# KiCad board panel.kicad_pcb (continued)
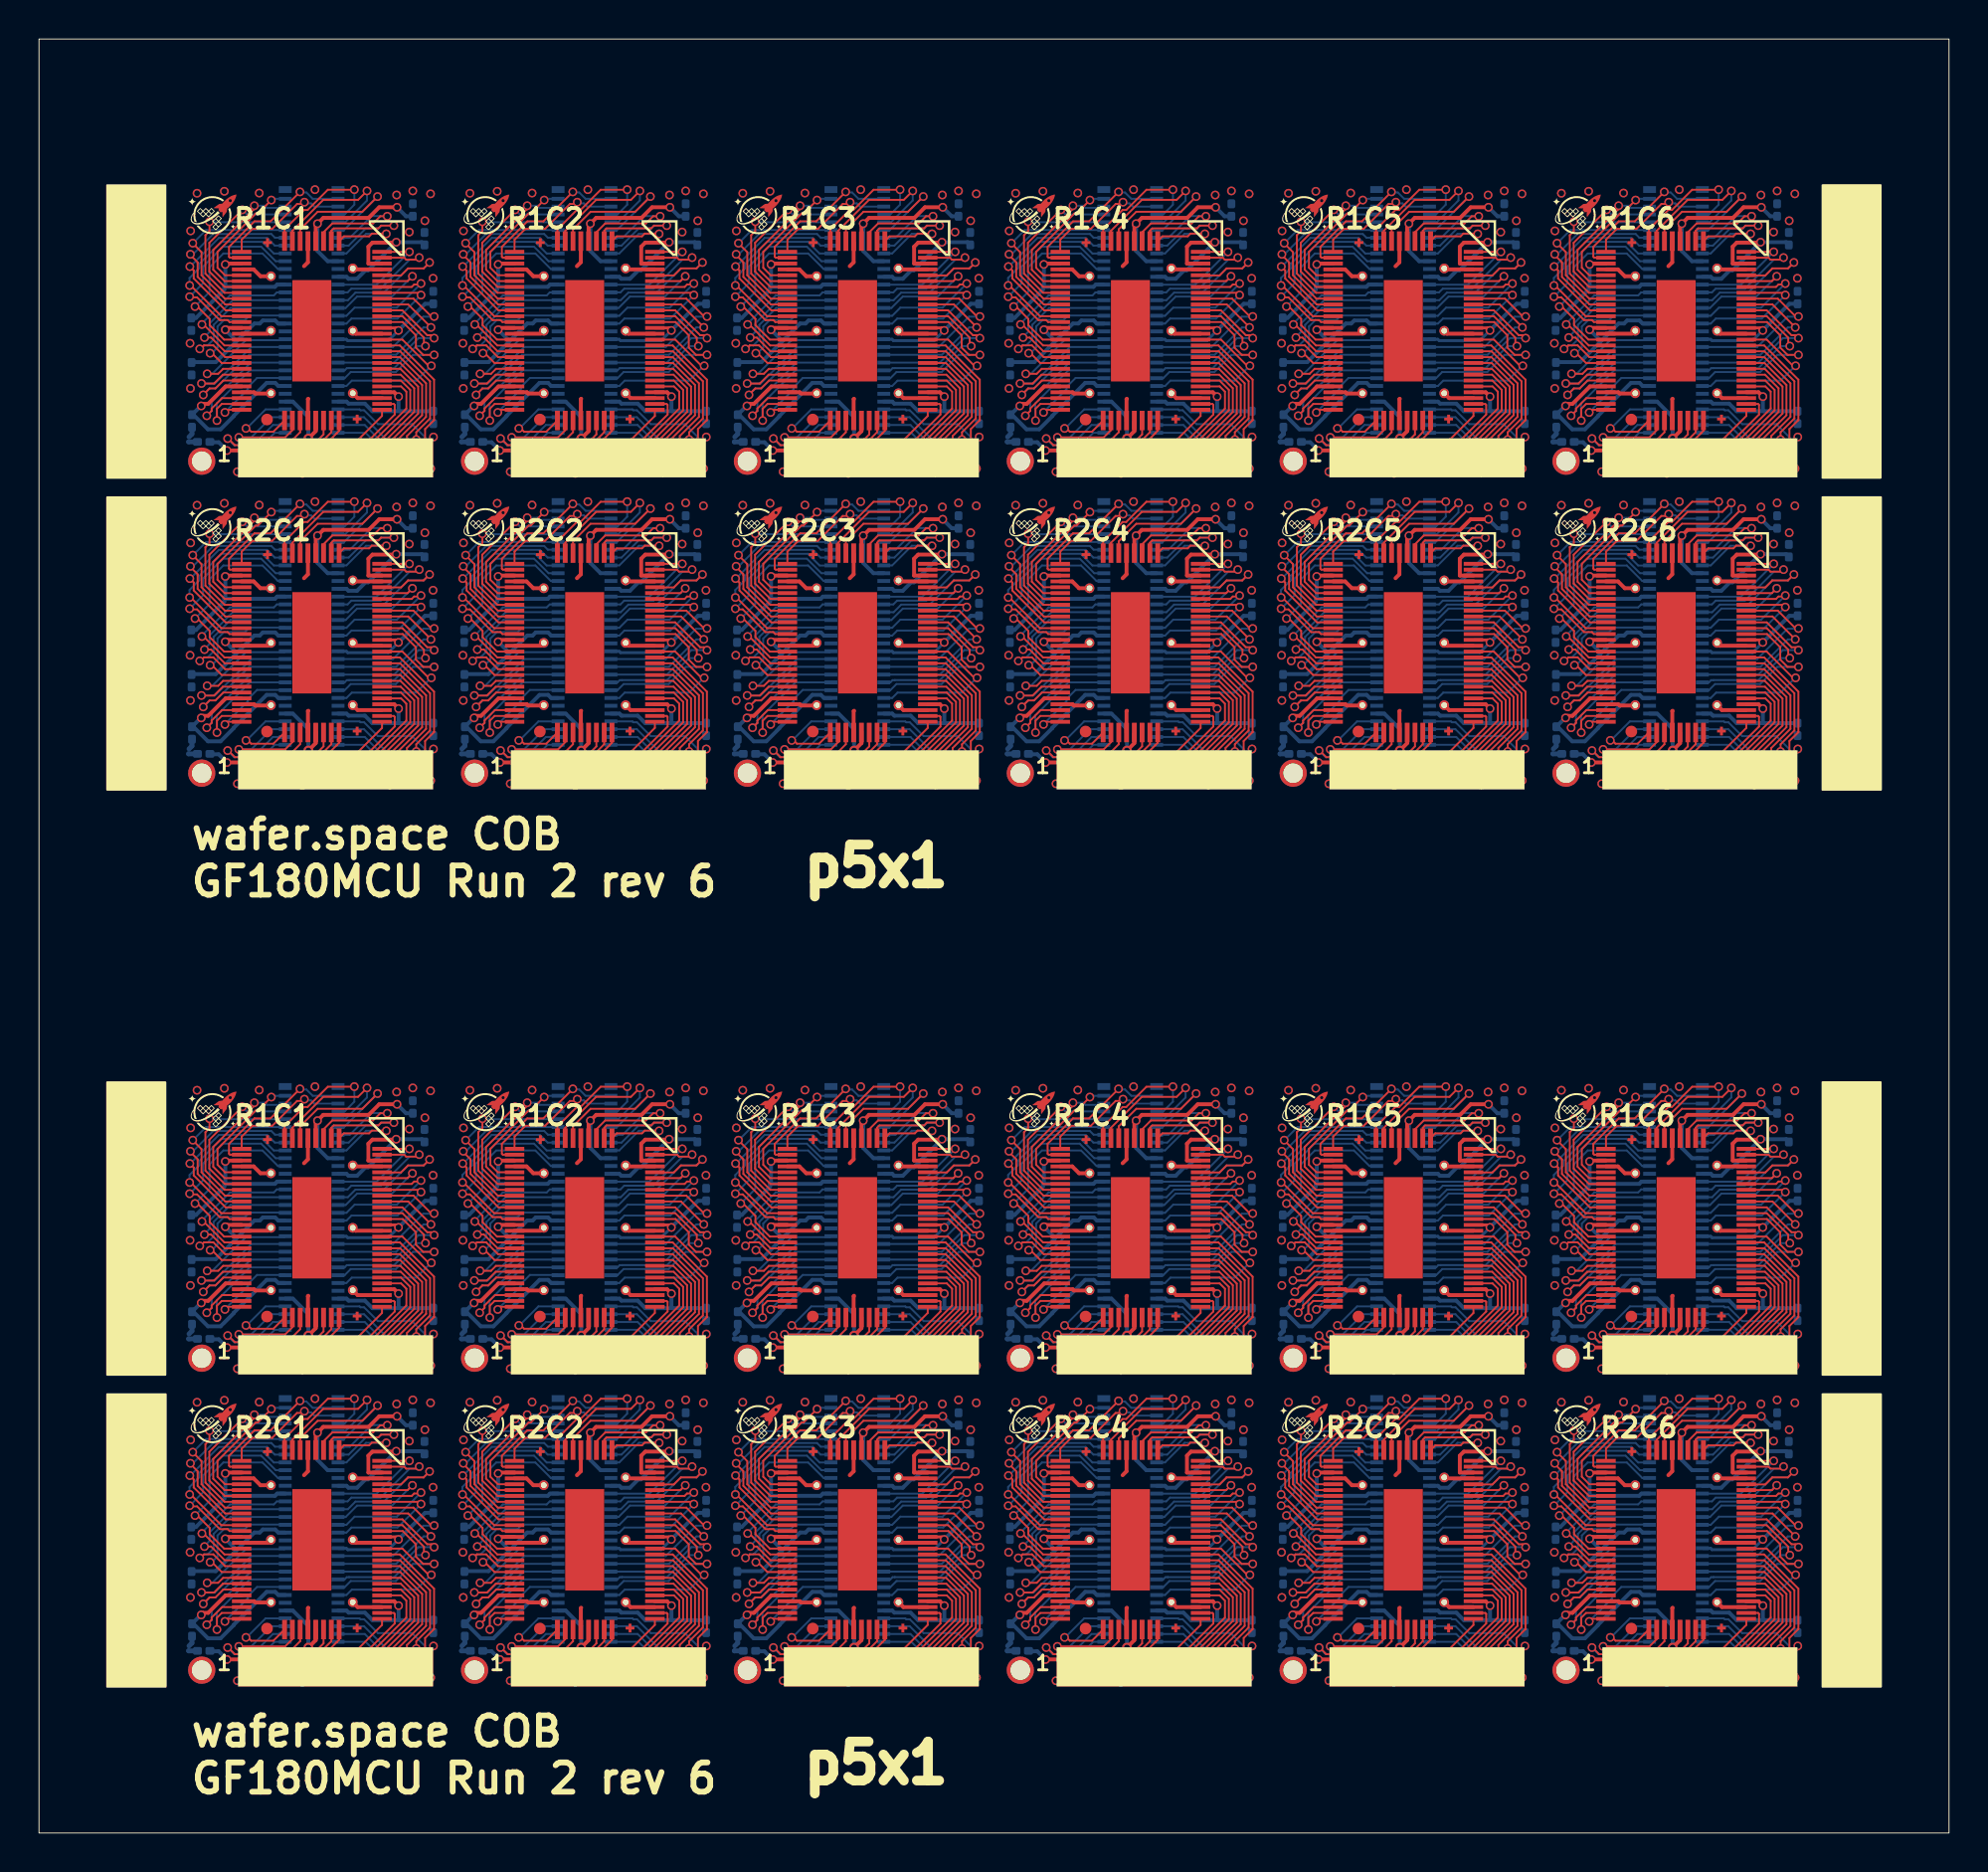
[diagram p0: board, top side]
## Routing (per net, layer and track width the routed paths; a pad name or vN(x,y) marks a point on that pad's centre or on a via; arc(x,y) is an arc through that point) (continued)
  Bottom w0.2: v1(18.33,35.58) 16.89,34.14 16.75,34.14 16.32,33.7 15.88,33.71 15.78,33.81 U101.46 ; v1(18.33,35.58) 18.36,35.61 ; v1(18.33,35.58) 19.64,35.58 C103#2.1 ; 88.36,19.61 v1(88.33,19.58) ; v1(88.33,19.58) 86.89,18.14 86.75,18.14 86.32,17.7 85.88,17.71 85.78,17.81 U123.46 ; v1(88.33,19.58) 89.64,19.58 C191#2.1 ; 18.36,65.61 v1(18.33,65.58) ; v1(18.33,65.58) 19.64,65.58 C151.1 ; v1(18.33,65.58) 16.89,64.14 16.75,64.14 16.32,63.7 15.88,63.71 15.78,63.81 U113#2.46 ; v1(18.33,81.58) 16.89,80.14 16.75,80.14 16.32,79.7 15.88,79.71 15.78,79.81 U101#2.46 ; v1(18.33,81.58) 18.36,81.61 ; v1(18.33,81.58) 19.64,81.58 C103.1 ; v1(32.33,35.58) 30.89,34.14 30.75,34.14 30.32,33.7 29.88,33.71 29.78,33.81 U103.46 ; v1(32.33,35.58) 33.64,35.58 C111.1 ; v1(32.33,35.58) 32.36,35.61 ; C159.1 33.64,19.58 v1(32.33,19.58) ; 46.36,35.61 v1(46.33,35.58) ; v1(46.33,35.58) 47.64,35.58 C119.1 ; v1(46.33,35.58) 44.89,34.14 44.75,34.14 44.32,33.7 43.88,33.71 43.78,33.81 U105#2.46 ; v1(60.33,81.58) 61.64,81.58 C127#2.1 ; v1(60.33,81.58) 58.89,80.14 58.75,80.14 58.32,79.7 57.88,79.71 57.78,79.81 U107#2.46 ; v1(60.33,81.58) 60.36,81.61 ; U115#2.46 29.78,63.81 29.88,63.71 30.32,63.7 30.75,64.14 30.89,64.14 v1(32.33,65.58) ; v1(74.33,35.58) 75.64,35.58 C135#2.1 ; v1(74.33,35.58) 72.89,34.14 72.75,34.14 72.32,33.7 71.88,33.71 71.78,33.81 71.35,33.8 ; v1(74.33,35.58) 74.36,35.61 ; 60.36,65.61 v1(60.33,65.58) ; v1(60.33,65.58) 58.89,64.14 58.75,64.14 58.32,63.7 57.88,63.71 57.78,63.81 U119.46 ; v1(60.33,65.58) 61.64,65.58 C175#2.1 ; 71.35,79.8 71.78,79.81 71.88,79.71 72.32,79.7 72.75,80.14 72.89,80.14 v1(74.33,81.58) ; U111#2.46 85.78,79.81 85.88,79.71 86.32,79.7 86.75,80.14 86.89,80.14 v1(88.33,81.58) ; U103#2.46 29.78,79.81 29.88,79.71 30.32,79.7 30.75,80.14 30.89,80.14 v1(32.33,81.58) ; C143#2.1 89.64,35.58 v1(88.33,35.58) ; C191.1 89.64,65.58 v1(88.33,65.58) ; C183#2.1 75.64,19.58 v1(74.33,19.58) ; C151#2.1 19.64,19.58 v1(18.33,19.58) ; 46.36,81.61 v1(46.33,81.58) ; v1(46.33,81.58) 47.64,81.58 C119#2.1 ; v1(46.33,81.58) 44.89,80.14 44.75,80.14 44.32,79.7 43.88,79.71 43.78,79.81 U105.46 ; 74.36,81.61 v1(74.33,81.58) ; v1(74.33,81.58) 75.64,81.58 C135.1 ; 46.36,19.61 v1(46.33,19.58) ; v1(46.33,19.58) 44.89,18.14 44.75,18.14 44.32,17.7 43.88,17.71 43.78,17.81 U117.46 ; v1(46.33,19.58) 47.64,19.58 C167#2.1 ; U113.46 15.78,17.81 15.88,17.71 16.32,17.7 16.75,18.14 16.89,18.14 v1(18.33,19.58) ; v1(74.33,19.58) 74.36,19.61 ; v1(74.33,19.58) 72.89,18.14 72.75,18.14 72.32,17.7 71.88,17.71 71.78,17.81 71.35,17.8 ; v1(88.33,81.58) 88.36,81.61 ; v1(88.33,81.58) 89.64,81.58 C143.1 ; v1(60.33,19.58) 58.89,18.14 58.75,18.14 58.32,17.7 57.88,17.71 57.78,17.81 U119#2.46 ; v1(60.33,19.58) 61.64,19.58 C175.1 ; v1(60.33,19.58) 60.36,19.61 ; v1(18.33,19.58) 18.36,19.61 ; 46.36,65.61 v1(46.33,65.58) ; v1(46.33,65.58) 47.64,65.58 C167.1 ; v1(46.33,65.58) 44.89,64.14 44.75,64.14 44.32,63.7 43.88,63.71 43.78,63.81 U117#2.46 ; v1(32.33,81.58) 33.64,81.58 C111#2.1 ; v1(32.33,81.58) 32.36,81.61 ; v1(32.33,19.58) 32.36,19.61 ; v1(32.33,19.58) 30.89,18.14 30.75,18.14 30.32,17.7 29.88,17.71 29.78,17.81 U115.46 ; v1(88.33,65.58) 86.89,64.14 86.75,64.14 86.32,63.7 85.88,63.71 85.78,63.81 U123#2.46 ; v1(88.33,65.58) 88.36,65.61 ; v1(60.33,35.58) 58.89,34.14 58.75,34.14 58.32,33.7 57.88,33.71 57.78,33.81 U107.46 ; v1(60.33,35.58) 60.36,35.61 ; v1(60.33,35.58) 61.64,35.58 C127.1 ; U111.46 85.78,33.81 85.88,33.71 86.32,33.7 86.75,34.14 86.89,34.14 v1(88.33,35.58) ; 74.36,65.61 v1(74.33,65.58) ; v1(74.33,65.58) 75.64,65.58 C183.1 ; v1(74.33,65.58) 72.89,64.14 72.75,64.14 72.32,63.7 71.88,63.71 71.78,63.81 71.35,63.8 ; v1(32.33,65.58) 33.64,65.58 C159#2.1 ; v1(32.33,65.58) 32.36,65.61 ; v1(88.33,35.58) 88.36,35.61
VDD_CORE_1: length 223.4
  Top w0.2: v1(50.33,11.18) 50.43,11.29 50.68,11.29 51.58,12.19 52.4,12.19 ; 52.4,58.19 51.58,58.19 50.68,57.29 50.43,57.29 v1(50.33,57.18) ; v1(50.33,73.18) 50.43,73.29 50.68,73.29 51.58,74.19 U108#2.68 ; v1(8.33,73.18) 8.43,73.29 8.68,73.29 9.58,74.19 U102.68 ; v1(78.33,27.18) 78.43,27.29 78.68,27.29 79.58,28.19 80.4,28.19 ; v1(78.33,57.18) 78.43,57.29 78.68,57.29 79.58,58.19 80.4,58.19 ; v1(22.33,11.18) 22.43,11.29 22.68,11.29 23.58,12.19 24.4,12.19 ; 24.4,58.19 23.58,58.19 22.68,57.29 22.43,57.29 v1(22.33,57.18) ; v1(64.33,27.18) 64.43,27.29 64.68,27.29 65.58,28.19 66.4,28.19 ; U106#2.68 37.58,74.19 36.68,73.29 36.43,73.29 v1(36.33,73.18) ; 10.4,28.19 9.58,28.19 8.68,27.29 8.43,27.29 v1(8.33,27.18) ; v1(50.33,27.18) 50.43,27.29 50.68,27.29 51.58,28.19 52.4,28.19 ; 66.4,12.19 65.58,12.19 64.68,11.29 64.43,11.29 v1(64.33,11.18) ; 38.4,58.19 37.58,58.19 36.68,57.29 36.43,57.29 v1(36.33,57.18) ; 38.4,28.19 37.58,28.19 36.68,27.29 36.43,27.29 v1(36.33,27.18) ; 80.4,12.19 79.58,12.19 78.68,11.29 78.43,11.29 v1(78.33,11.18) ; v1(22.33,73.18) 22.43,73.29 22.68,73.29 23.58,74.19 U104.68 ; 66.4,58.19 65.58,58.19 64.68,57.29 64.43,57.29 v1(64.33,57.18) ; 10.4,12.19 9.58,12.19 8.68,11.29 8.43,11.29 v1(8.33,11.18) ; 24.4,28.19 23.58,28.19 22.68,27.29 22.43,27.29 v1(22.33,27.18) ; v1(36.33,11.18) 36.43,11.29 36.68,11.29 37.58,12.19 38.4,12.19 ; v1(8.33,57.18) 8.43,57.29 8.68,57.29 9.58,58.19 10.4,58.19 ; v1(64.33,73.18) 64.43,73.29 64.68,73.29 65.58,74.19 U110.68 ; v1(78.33,73.18) 78.43,73.29 78.68,73.29 79.58,74.19 U112#2.68
  Bottom w0.2: 82.64,58.21 82.28,58.21 82.12,58.37 81.68,58.37 79.99,56.67 79.99,56.66 79.32,55.98 78.67,55.98 77.92,56.73 C192.1 78.3,57.18 v1(78.33,57.18) ; 26.64,74.21 26.28,74.21 26.12,74.37 25.68,74.37 23.99,72.67 23.99,72.66 23.32,71.98 22.67,71.98 21.92,72.73 C112.1 22.3,73.18 v1(22.33,73.18) ; U111#2.11 82.28,74.21 82.12,74.37 81.68,74.37 79.99,72.67 79.99,72.66 79.32,71.98 78.67,71.98 77.92,72.73 C144#2.1 78.3,73.18 v1(78.33,73.18) ; 26.64,28.21 26.28,28.21 26.12,28.37 25.68,28.37 23.99,26.67 23.99,26.66 23.32,25.98 22.67,25.98 21.92,26.73 C112#2.1 22.3,27.18 v1(22.33,27.18) ; v1(36.33,73.18) 36.3,73.18 C120.1 35.92,72.73 36.67,71.98 37.32,71.98 37.99,72.66 37.99,72.67 39.68,74.37 40.12,74.37 40.28,74.21 40.64,74.21 ; 54.64,12.21 54.28,12.21 54.12,12.37 53.68,12.37 51.99,10.67 51.99,10.66 51.32,9.98 50.67,9.98 49.92,10.73 C176#2.1 50.3,11.18 v1(50.33,11.18) ; 12.64,28.21 12.28,28.21 12.12,28.37 11.68,28.37 9.99,26.67 9.99,26.66 9.32,25.98 8.67,25.98 7.92,26.73 C104.1 8.3,27.18 v1(8.33,27.18) ; 54.64,74.21 54.28,74.21 54.12,74.37 53.68,74.37 51.99,72.67 51.99,72.66 51.32,71.98 50.67,71.98 49.92,72.73 C128#2.1 50.3,73.18 v1(50.33,73.18) ; v1(36.33,57.18) 36.3,57.18 C168#2.1 35.92,56.73 36.67,55.98 37.32,55.98 37.99,56.66 37.99,56.67 39.68,58.37 40.12,58.37 40.28,58.21 40.64,58.21 ; v1(64.33,27.18) 64.3,27.18 C136#2.1 63.92,26.73 64.67,25.98 65.32,25.98 65.99,26.66 65.99,26.67 67.68,28.37 68.12,28.37 68.28,28.21 68.64,28.21 ; v1(8.33,57.18) 8.3,57.18 C152#2.1 7.92,56.73 8.67,55.98 9.32,55.98 9.99,56.66 9.99,56.67 11.68,58.37 12.12,58.37 12.28,58.21 12.64,58.21 ; v1(36.33,27.18) 36.3,27.18 C120#2.1 35.92,26.73 36.67,25.98 37.32,25.98 37.99,26.66 37.99,26.67 39.68,28.37 40.12,28.37 40.28,28.21 40.64,28.21 ; v1(78.33,27.18) 78.3,27.18 C144.1 77.92,26.73 78.67,25.98 79.32,25.98 79.99,26.66 79.99,26.67 81.68,28.37 82.12,28.37 82.28,28.21 82.64,28.21 ; 82.64,12.21 82.28,12.21 82.12,12.37 81.68,12.37 79.99,10.67 79.99,10.66 79.32,9.98 78.67,9.98 77.92,10.73 C192#2.1 78.3,11.18 v1(78.33,11.18) ; 26.64,12.21 26.28,12.21 26.12,12.37 25.68,12.37 23.99,10.67 23.99,10.66 23.32,9.98 22.67,9.98 21.92,10.73 C160.1 22.3,11.18 v1(22.33,11.18) ; 12.64,12.21 12.28,12.21 12.12,12.37 11.68,12.37 9.99,10.67 9.99,10.66 9.32,9.98 8.67,9.98 7.92,10.73 C152.1 8.3,11.18 v1(8.33,11.18) ; v1(22.33,57.18) 22.3,57.18 C160#2.1 21.92,56.73 22.67,55.98 23.32,55.98 23.99,56.66 23.99,56.67 25.68,58.37 26.12,58.37 26.28,58.21 26.64,58.21 ; v1(50.33,57.18) 50.3,57.18 C176.1 49.92,56.73 50.67,55.98 51.32,55.98 51.99,56.66 51.99,56.67 53.68,58.37 54.12,58.37 54.28,58.21 54.64,58.21 ; 68.64,12.21 68.28,12.21 68.12,12.37 67.68,12.37 65.99,10.67 65.99,10.66 65.32,9.98 64.67,9.98 63.92,10.73 C184#2.1 64.3,11.18 v1(64.33,11.18) ; 54.64,28.21 54.28,28.21 54.12,28.37 53.68,28.37 51.99,26.67 51.99,26.66 51.32,25.98 50.67,25.98 49.92,26.73 C128.1 50.3,27.18 v1(50.33,27.18) ; 68.64,58.21 68.28,58.21 68.12,58.37 67.68,58.37 65.99,56.67 65.99,56.66 65.32,55.98 64.67,55.98 63.92,56.73 C184.1 64.3,57.18 v1(64.33,57.18) ; 68.64,74.21 68.28,74.21 68.12,74.37 67.68,74.37 65.99,72.67 65.99,72.66 65.32,71.98 64.67,71.98 63.92,72.73 C136.1 64.3,73.18 v1(64.33,73.18) ; v1(36.33,11.18) 36.3,11.18 C168.1 35.92,10.73 36.67,9.98 37.32,9.98 37.99,10.66 37.99,10.67 39.68,12.37 40.12,12.37 40.28,12.21 40.64,12.21 ; v1(8.33,73.18) 8.3,73.18 C104#2.1 7.92,72.73 8.67,71.98 9.32,71.98 9.99,72.66 9.99,72.67 11.68,74.37 12.12,74.37 12.28,74.21 12.64,74.21
VDD_IO_0: length 163.2
  Top w0.2: v1(74.45,57.66) 74.23,57.89 U122.12 ; U124#2.12 88.23,57.89 v1(88.45,57.66) ; U106.12 46.22,27.89 v1(46.45,27.66) ; U104#2.12 32.22,27.89 v1(32.45,27.66) ; U124.12 88.23,11.89 v1(88.45,11.66) ; U118#2.12 46.22,57.89 v1(46.45,57.66) ; v1(60.45,57.66) 60.22,57.89 U120#2.12 ; v1(88.45,73.66) 88.23,73.89 87.6,73.89 ; v1(60.45,11.66) 60.22,11.89 U120.12 ; v1(32.45,57.66) 32.22,57.89 U116.12 ; 45.6,73.89 46.22,73.89 v1(46.45,73.66) ; v1(74.45,73.66) 74.23,73.89 73.6,73.89 ; v1(60.45,27.66) 60.22,27.89 U108.12 ; v1(74.45,11.66) 74.23,11.89 U122#2.12 ; U114#2.12 18.22,11.89 v1(18.45,11.66) ; v1(74.45,27.66) 74.23,27.89 U110#2.12 ; 17.6,73.89 18.22,73.89 v1(18.45,73.66) ; v1(46.45,11.66) 46.22,11.89 U118.12 ; U114.12 18.22,57.89 v1(18.45,57.66) ; U116#2.12 32.22,11.89 v1(32.45,11.66) ; U102#2.12 18.22,27.89 v1(18.45,27.66) ; v1(32.45,73.66) 32.22,73.89 31.6,73.89 ; 59.6,73.89 60.22,73.89 v1(60.45,73.66) ; v1(88.45,27.66) 88.23,27.89 U112.12
  Bottom w0.2: 85.35,57.41 85.78,57.41 85.89,57.3 86.72,57.3 87.11,56.92 88.51,56.92 ; 60.51,10.92 60.45,10.98 v1(60.45,11.66) ; 60.51,10.92 59.11,10.92 58.72,11.3 57.89,11.3 57.78,11.41 57.34,11.41 ; 60.51,10.92 C179.1 ; 32.51,56.92 32.45,56.98 v1(32.45,57.66) ; 32.51,56.92 31.11,56.92 30.72,57.3 29.89,57.3 29.78,57.41 29.34,57.41 ; 32.51,56.92 C163.1 ; 74.51,72.92 74.45,72.98 v1(74.45,73.66) ; 74.51,72.92 73.11,72.92 72.72,73.3 71.89,73.3 71.78,73.41 71.35,73.41 ; 74.51,72.92 C139.1 ; v1(60.45,27.66) 60.45,26.98 60.51,26.92 ; 60.51,26.92 59.11,26.92 58.72,27.3 57.89,27.3 57.78,27.41 57.34,27.41 ; 60.51,26.92 C131#2.1 ; 29.34,11.41 29.78,11.41 29.89,11.3 30.72,11.3 31.11,10.92 32.51,10.92 ; 74.51,26.92 C139#2.1 ; 74.51,26.92 74.45,26.98 v1(74.45,27.66) ; 74.51,26.92 73.11,26.92 72.72,27.3 71.89,27.3 71.78,27.41 71.35,27.41 ; v1(32.45,27.66) 32.45,26.98 32.51,26.92 ; v1(32.45,11.66) 32.45,10.98 32.51,10.92 ; U107#2.62 57.78,73.41 57.89,73.3 58.72,73.3 59.11,72.92 60.51,72.92 ; 32.51,72.92 32.45,72.98 v1(32.45,73.66) ; 32.51,72.92 C115#2.1 ; 32.51,72.92 31.11,72.92 30.72,73.3 29.89,73.3 29.78,73.41 U103#2.62 ; 32.51,10.92 C163#2.1 ; 60.51,72.92 C131.1 ; 60.51,72.92 60.45,72.98 v1(60.45,73.66) ; 88.51,56.92 88.45,56.98 v1(88.45,57.66) ; 88.51,56.92 C195.1 ; 15.34,57.41 15.78,57.41 15.89,57.3 16.72,57.3 17.11,56.92 18.51,56.92 ; 88.51,10.92 88.45,10.98 v1(88.45,11.66) ; 88.51,10.92 87.11,10.92 86.72,11.3 85.89,11.3 85.78,11.41 85.35,11.41 ; 88.51,10.92 C195#2.1 ; 46.51,56.92 C171.1 ; 46.51,56.92 45.11,56.92 44.72,57.3 43.89,57.3 43.78,57.41 43.34,57.41 ; 46.51,56.92 46.45,56.98 v1(46.45,57.66) ; 88.51,72.92 87.11,72.92 86.72,73.3 85.89,73.3 85.78,73.41 U111#2.62 ; 88.51,72.92 C147#2.1 ; 88.51,72.92 88.45,72.98 v1(88.45,73.66) ; v1(18.45,73.66) 18.45,72.98 18.51,72.92 ; 74.51,10.92 74.45,10.98 v1(74.45,11.66) ; 74.51,10.92 C187#2.1 ; 74.51,10.92 73.11,10.92 72.72,11.3 71.89,11.3 71.78,11.41 71.35,11.41 ; v1(18.45,11.66) 18.45,10.98 18.51,10.92 ; 32.51,26.92 C115.1 ; 32.51,26.92 31.11,26.92 30.72,27.3 29.89,27.3 29.78,27.41 29.34,27.41 ; 88.51,26.92 C147.1 ; 88.51,26.92 87.11,26.92 86.72,27.3 85.89,27.3 85.78,27.41 85.35,27.41 ; 88.51,26.92 88.45,26.98 v1(88.45,27.66) ; 15.34,11.41 15.78,11.41 15.89,11.3 16.72,11.3 17.11,10.92 18.51,10.92 ; 46.51,10.92 C171#2.1 ; 46.51,10.92 45.11,10.92 44.72,11.3 43.89,11.3 43.78,11.41 43.34,11.41 ; 46.51,10.92 46.45,10.98 v1(46.45,11.66) ; 18.51,56.92 18.45,56.98 v1(18.45,57.66) ; 18.51,56.92 C155.1 ; v1(74.45,57.66) 74.45,56.98 74.51,56.92 ; 46.51,26.92 45.11,26.92 44.72,27.3 43.89,27.3 43.78,27.41 43.34,27.41 ; 46.51,26.92 C123.1 ; 46.51,26.92 46.45,26.98 v1(46.45,27.66) ; 15.34,27.41 15.78,27.41 15.89,27.3 16.72,27.3 17.11,26.92 18.51,26.92 ; 74.51,56.92 C187.1 ; 74.51,56.92 73.11,56.92 72.72,57.3 71.89,57.3 71.78,57.41 71.35,57.41 ; 18.51,26.92 18.45,26.98 v1(18.45,27.66) ; 18.51,26.92 C107.1 ; 57.34,57.41 57.78,57.41 57.89,57.3 58.72,57.3 59.11,56.92 60.51,56.92 ; 18.51,10.92 C155#2.1 ; 18.51,72.92 17.11,72.92 16.72,73.3 15.89,73.3 15.78,73.41 U101#2.62 ; 18.51,72.92 C107#2.1 ; 46.51,72.92 45.11,72.92 44.72,73.3 43.89,73.3 43.78,73.41 U105.62 ; 46.51,72.92 46.45,72.98 v1(46.45,73.66) ; 46.51,72.92 C123#2.1 ; 60.51,56.92 C179#2.1 ; 60.51,56.92 60.45,56.98 v1(60.45,57.66)
VDD_IO_1: length 216.8
  Top w0.2: v1(32.37,83.37) 31.46,83.37 30.91,82.83 28.59,82.83 v1(28.29,82.53) 28.2,82.44 U104.40 ; v1(46.37,21.37) 45.46,21.37 44.91,20.83 42.59,20.83 v1(42.29,20.53) 42.2,20.44 U118.40 ; v1(60.37,37.37) 59.46,37.37 58.91,36.83 56.59,36.83 v1(56.29,36.53) 56.2,36.44 U108.40 ; U104#2.40 28.2,36.44 v1(28.29,36.53) 28.59,36.83 30.91,36.83 31.46,37.37 v1(32.37,37.37) ; v1(74.37,67.37) 73.46,67.37 72.91,66.83 70.59,66.83 v1(70.29,66.53) 70.2,66.44 U122.40 ; v1(88.37,37.37) 87.46,37.37 86.91,36.83 84.59,36.83 v1(84.29,36.53) 84.2,36.44 U112.40 ; v1(88.37,67.37) 87.46,67.37 86.91,66.83 84.59,66.83 v1(84.29,66.53) 84.2,66.44 U124#2.40 ; v1(46.37,37.37) 45.46,37.37 44.91,36.83 42.59,36.83 v1(42.29,36.53) 42.2,36.44 U106.40 ; v1(74.37,21.37) 73.46,21.37 72.91,20.83 70.59,20.83 v1(70.29,20.53) 70.2,20.44 U122#2.40 ; v1(88.37,83.37) 87.46,83.37 86.91,82.83 84.59,82.83 v1(84.29,82.53) 84.2,82.44 U112#2.40 ; U118#2.40 42.2,66.44 v1(42.29,66.53) 42.59,66.83 44.91,66.83 45.46,67.37 v1(46.37,67.37) ; v1(18.37,37.37) 17.46,37.37 16.91,36.83 14.59,36.83 v1(14.29,36.53) 14.2,36.44 U102#2.40 ; v1(32.37,67.37) 31.46,67.37 30.91,66.83 28.59,66.83 v1(28.29,66.53) 28.2,66.44 U116.40 ; U114#2.40 14.2,20.44 v1(14.29,20.53) 14.59,20.83 16.91,20.83 17.46,21.37 v1(18.37,21.37) ; v1(88.37,21.37) 87.46,21.37 86.91,20.83 84.59,20.83 v1(84.29,20.53) 84.2,20.44 U124.40 ; v1(60.37,67.37) 59.46,67.37 58.91,66.83 56.59,66.83 v1(56.29,66.53) 56.2,66.44 U120#2.40 ; U102.40 14.2,82.44 v1(14.29,82.53) 14.59,82.83 16.91,82.83 17.46,83.37 v1(18.37,83.37) ; v1(18.37,67.37) 17.46,67.37 16.91,66.83 14.59,66.83 v1(14.29,66.53) 14.2,66.44 U114.40 ; U116#2.40 28.2,20.44 v1(28.29,20.53) 28.59,20.83 30.91,20.83 31.46,21.37 v1(32.37,21.37) ; v1(46.37,83.37) 45.46,83.37 44.91,82.83 42.59,82.83 v1(42.29,82.53) 42.2,82.44 U106#2.40 ; U108#2.40 56.2,82.44 v1(56.29,82.53) 56.59,82.83 58.91,82.83 59.46,83.37 v1(60.37,83.37) ; U120.40 56.2,20.44 v1(56.29,20.53) 56.59,20.83 58.91,20.83 59.46,21.37 v1(60.37,21.37) ; U110.40 70.2,82.44 v1(70.29,82.53) 70.59,82.83 72.91,82.83 73.46,83.37 v1(74.37,83.37) ; U110#2.40 70.2,36.44 v1(70.29,36.53) 70.59,36.83 72.91,36.83 73.46,37.37 v1(74.37,37.37)
  Bottom w0.2: C189#2.1 88.83,66.91 v1(88.37,67.37) ; 71.35,80.61 70.81,80.61 70.29,81.13 v1(70.29,82.53) ; v1(14.29,36.53) 14.29,35.13 14.81,34.61 U101.44 ; v1(18.37,83.37) 18.83,82.91 C101#2.1 ; v1(32.37,83.37) 32.83,82.91 C109#2.1 ; v1(60.37,67.37) 60.83,66.91 C173.1 ; C125#2.1 60.83,82.91 v1(60.37,83.37) ; U115.44 28.81,18.61 28.29,19.13 v1(28.29,20.53) ; C109.1 32.83,36.91 v1(32.37,37.37) ; U115#2.44 28.81,64.61 28.29,65.13 v1(28.29,66.53) ; v1(56.29,36.53) 56.29,35.13 56.81,34.61 U107.44 ; v1(14.29,66.53) 14.29,65.13 14.81,64.61 U113#2.44 ; C125.1 60.83,36.91 v1(60.37,37.37) ; C173#2.1 60.83,20.91 v1(60.37,21.37) ; U111.44 84.82,34.61 84.29,35.13 v1(84.29,36.53) ; v1(70.29,20.53) 70.29,19.13 70.81,18.61 71.35,18.61 ; v1(88.37,83.37) 88.83,82.91 C141#2.1 ; v1(14.29,20.53) 14.29,19.13 14.81,18.61 U113.44 ; U105#2.44 42.81,34.61 42.29,35.13 v1(42.29,36.53) ; v1(84.29,20.53) 84.29,19.13 84.82,18.61 U123.44 ; C165.1 46.83,66.91 v1(46.37,67.37) ; C141.1 88.83,36.91 v1(88.37,37.37) ; U123#2.44 84.82,64.61 84.29,65.13 v1(84.29,66.53) ; U117.44 42.81,18.61 42.29,19.13 v1(42.29,20.53) ; C133.1 74.83,82.91 v1(74.37,83.37) ; v1(28.29,36.53) 28.29,35.13 28.81,34.61 U103.44 ; v1(42.29,66.53) 42.29,65.13 42.81,64.61 U117#2.44 ; v1(70.29,36.53) 70.29,35.13 70.81,34.61 71.35,34.61 ; U119#2.44 56.81,18.61 56.29,19.13 v1(56.29,20.53) ; U111#2.44 84.82,80.61 84.29,81.13 v1(84.29,82.53) ; v1(70.29,66.53) 70.29,65.13 70.81,64.61 71.35,64.61 ; U103#2.44 28.81,80.61 28.29,81.13 v1(28.29,82.53) ; v1(74.37,67.37) 74.83,66.91 C181#2.1 ; C101.1 18.83,36.91 v1(18.37,37.37) ; v1(74.37,37.37) 74.83,36.91 C133#2.1 ; v1(46.37,21.37) 46.83,20.91 C165#2.1 ; v1(42.29,82.53) 42.29,81.13 42.81,80.61 U105.44 ; C157#2.1 32.83,20.91 v1(32.37,21.37) ; C149#2.1 18.83,66.91 v1(18.37,67.37) ; v1(88.37,21.37) 88.83,20.91 C189.1 ; v1(56.29,66.53) 56.29,65.13 56.81,64.61 U119.44 ; v1(46.37,83.37) 46.83,82.91 C117#2.1 ; v1(56.29,82.53) 56.29,81.13 56.81,80.61 U107#2.44 ; v1(18.37,21.37) 18.83,20.91 C149.1 ; C117.1 46.83,36.91 v1(46.37,37.37) ; C157.1 32.83,66.91 v1(32.37,67.37) ; U101#2.44 14.81,80.61 14.29,81.13 v1(14.29,82.53) ; v1(74.37,21.37) 74.83,20.91 C181.1
VDD_IO_2: length 183.4
  Top w0.2: v1(23.56,18.44) 23.61,18.49 U116#2.47 ; v1(37.56,80.44) 37.61,80.49 38.4,80.49 ; U120.47 51.61,18.49 v1(51.56,18.44) ; 80.4,80.49 79.61,80.49 v1(79.56,80.44) ; U122#2.47 65.61,18.49 v1(65.56,18.44) ; v1(65.56,80.44) 65.61,80.49 66.4,80.49 ; U102#2.47 9.61,34.49 v1(9.56,34.44) ; v1(23.56,64.44) 23.61,64.49 U116.47 ; U118.47 37.61,18.49 v1(37.56,18.44) ; v1(51.56,64.44) 51.61,64.49 U120#2.47 ; v1(51.56,80.44) 51.61,80.49 52.4,80.49 ; U124.47 79.61,18.49 v1(79.56,18.44) ; v1(79.56,34.44) 79.61,34.49 U112.47 ; v1(9.56,80.44) 9.61,80.49 10.4,80.49 ; v1(65.56,34.44) 65.61,34.49 U110#2.47 ; U114#2.47 9.61,18.49 v1(9.56,18.44) ; U124#2.47 79.61,64.49 v1(79.56,64.44) ; v1(23.56,80.44) 23.61,80.49 24.4,80.49 ; U104#2.47 23.61,34.49 v1(23.56,34.44) ; U108.47 51.61,34.49 v1(51.56,34.44) ; U118#2.47 37.61,64.49 v1(37.56,64.44) ; U106.47 37.61,34.49 v1(37.56,34.44) ; v1(9.56,64.44) 9.61,64.49 U114.47 ; v1(65.56,64.44) 65.61,64.49 U122.47
  Bottom w0.2: 26.64,33.41 26.22,33.41 26.1,33.29 23.51,33.29 ; 23.51,33.29 23.56,33.34 v1(23.56,34.44) ; 23.51,33.29 23.51,33.15 22.06,31.7 C116.1 ; 65.51,17.29 65.56,17.34 v1(65.56,18.44) ; 65.51,17.29 65.51,17.15 64.06,15.7 C188.1 ; 65.51,17.29 68.1,17.29 68.22,17.41 68.64,17.41 ; C172#2.1 36.06,61.7 37.51,63.15 37.51,63.29 ; C140.1 64.06,77.7 65.51,79.15 65.51,79.29 ; C156#2.1 8.06,15.7 9.51,17.15 9.51,17.29 ; v1(79.56,64.44) 79.56,63.34 79.51,63.29 ; v1(65.56,34.44) 65.56,33.34 65.51,33.29 ; C124.1 36.06,31.7 37.51,33.15 37.51,33.29 ; 23.51,17.29 23.51,17.15 22.06,15.7 C164.1 ; 23.51,17.29 26.1,17.29 26.22,17.41 26.64,17.41 ; 23.51,17.29 23.56,17.34 v1(23.56,18.44) ; v1(9.56,34.44) 9.56,33.34 9.51,33.29 ; C196#2.1 78.06,15.7 79.51,17.15 79.51,17.29 ; 37.51,63.29 40.1,63.29 40.22,63.41 40.64,63.41 ; 37.51,63.29 37.56,63.34 v1(37.56,64.44) ; 51.51,33.29 51.56,33.34 v1(51.56,34.44) ; 51.51,33.29 51.51,33.15 50.06,31.7 C132.1 ; 51.51,33.29 54.1,33.29 54.22,33.41 54.64,33.41 ; C140#2.1 64.06,31.7 65.51,33.15 65.51,33.29 ; 40.64,17.41 40.22,17.41 40.1,17.29 37.51,17.29 ; C148#2.1 78.06,77.7 79.51,79.15 79.51,79.29 ; 9.51,33.29 9.51,33.15 8.06,31.7 C108.1 ; 9.51,33.29 12.1,33.29 12.22,33.41 12.64,33.41 ; 79.51,79.29 79.56,79.34 v1(79.56,80.44) ; 79.51,79.29 82.1,79.29 82.22,79.41 U111#2.24 ; 68.64,79.41 68.22,79.41 68.1,79.29 65.51,79.29 ; 79.51,17.29 79.56,17.34 v1(79.56,18.44) ; 79.51,17.29 82.1,17.29 82.22,17.41 82.64,17.41 ; C156.1 8.06,61.7 9.51,63.15 9.51,63.29 ; 65.51,33.29 68.1,33.29 68.22,33.41 68.64,33.41 ; 65.51,63.29 65.51,63.15 64.06,61.7 C188#2.1 ; 65.51,63.29 68.1,63.29 68.22,63.41 68.64,63.41 ; 65.51,63.29 65.56,63.34 v1(65.56,64.44) ; v1(65.56,80.44) 65.56,79.34 65.51,79.29 ; 37.51,79.29 37.51,79.15 36.06,77.7 C124#2.1 ; 37.51,79.29 37.56,79.34 v1(37.56,80.44) ; 37.51,79.29 40.1,79.29 40.22,79.41 40.64,79.41 ; C180.1 50.06,61.7 51.51,63.15 51.51,63.29 ; 37.51,33.29 40.1,33.29 40.22,33.41 40.64,33.41 ; 37.51,33.29 37.56,33.34 v1(37.56,34.44) ; 9.51,79.29 12.1,79.29 12.22,79.41 12.64,79.41 ; 9.51,79.29 9.51,79.15 8.06,77.7 C108#2.1 ; 9.51,79.29 9.56,79.34 v1(9.56,80.44) ; 12.64,17.41 12.22,17.41 12.1,17.29 9.51,17.29 ; 9.51,63.29 9.56,63.34 v1(9.56,64.44) ; 9.51,63.29 12.1,63.29 12.22,63.41 12.64,63.41 ; v1(51.56,80.44) 51.56,79.34 51.51,79.29 ; C148.1 78.06,31.7 79.51,33.15 79.51,33.29 ; 26.64,63.41 26.22,63.41 26.1,63.29 23.51,63.29 ; v1(23.56,64.44) 23.56,63.34 23.51,63.29 ; 54.64,17.41 54.22,17.41 54.1,17.29 51.51,17.29 ; C132#2.1 50.06,77.7 51.51,79.15 51.51,79.29 ; 79.51,63.29 79.51,63.15 78.06,61.7 C196.1 ; 79.51,63.29 82.1,63.29 82.22,63.41 82.64,63.41 ; C116#2.1 22.06,77.7 23.51,79.15 23.51,79.29 ; C164#2.1 22.06,61.7 23.51,63.15 23.51,63.29 ; 51.51,63.29 51.56,63.34 v1(51.56,64.44) ; 51.51,63.29 54.1,63.29 54.22,63.41 54.64,63.41 ; 51.51,79.29 54.1,79.29 54.22,79.41 54.64,79.41 ; v1(79.56,34.44) 79.56,33.34 79.51,33.29 ; 9.51,17.29 9.56,17.34 v1(9.56,18.44) ; 37.51,17.29 37.51,17.15 36.06,15.7 C172.1 ; 37.51,17.29 37.56,17.34 v1(37.56,18.44) ; 23.51,79.29 23.56,79.34 v1(23.56,80.44) ; 23.51,79.29 26.1,79.29 26.22,79.41 26.64,79.41 ; C180#2.1 50.06,15.7 51.51,17.15 51.51,17.29 ; 51.51,17.29 51.56,17.34 v1(51.56,18.44) ; 79.51,33.29 82.1,33.29 82.22,33.41 82.64,33.41
VDD_IO_3: length 220.4
  Top w0.2: v1(51.65,24.9) 51.65,24.9 55.21,24.9 v2(55.82,25.51) 56.2,25.89 U108.5 ; U118#2.5 42.2,55.89 v2(41.82,55.51) 41.21,54.9 37.65,54.9 v1(37.65,54.9) ; v1(9.65,70.9) 9.65,70.9 13.21,70.9 v2(13.82,71.51) 14.2,71.89 U102.5 ; U114.5 14.2,55.89 v2(13.82,55.51) 13.21,54.9 9.65,54.9 v1(9.65,54.9) ; v1(79.65,24.9) 79.65,24.9 83.21,24.9 v2(83.82,25.51) 84.2,25.89 U112.5 ; U104.5 28.2,71.89 v2(27.82,71.51) 27.21,70.9 23.65,70.9 v1(23.65,70.9) ; U122.5 70.2,55.89 v2(69.82,55.51) 69.21,54.9 65.65,54.9 v1(65.65,54.9) ; v1(65.65,8.9) 65.65,8.9 69.21,8.9 v2(69.82,9.51) 70.2,9.89 U122#2.5 ; U124#2.5 84.2,55.89 v2(83.82,55.51) 83.21,54.9 79.65,54.9 v1(79.65,54.9) ; v1(9.65,24.9) 9.65,24.9 13.21,24.9 v2(13.82,25.51) 14.2,25.89 U102#2.5 ; v1(23.65,24.9) 23.65,24.9 27.21,24.9 v2(27.82,25.51) 28.2,25.89 U104#2.5 ; v1(79.65,70.9) 79.65,70.9 83.21,70.9 v2(83.82,71.51) 84.2,71.89 U112#2.5 ; v1(65.65,24.9) 65.65,24.9 69.21,24.9 v2(69.82,25.51) 70.2,25.89 U110#2.5 ; U110.5 70.2,71.89 v2(69.82,71.51) 69.21,70.9 65.65,70.9 v1(65.65,70.9) ; v1(37.65,24.9) 37.65,24.9 41.21,24.9 v2(41.82,25.51) 42.2,25.89 U106.5 ; U118.5 42.2,9.89 v2(41.82,9.51) 41.21,8.9 37.65,8.9 v1(37.65,8.9) ; v1(51.65,70.9) 51.65,70.9 55.21,70.9 v2(55.82,71.51) 56.2,71.89 U108#2.5 ; U116.5 28.2,55.89 v2(27.82,55.51) 27.21,54.9 23.65,54.9 v1(23.65,54.9) ; U124.5 84.2,9.89 v2(83.82,9.51) 83.21,8.9 79.65,8.9 v1(79.65,8.9) ; U120#2.5 56.2,55.89 v2(55.82,55.51) 55.21,54.9 51.65,54.9 v1(51.65,54.9) ; v1(37.65,70.9) 37.65,70.9 41.21,70.9 v2(41.82,71.51) 42.2,71.89 U106#2.5 ; v1(9.65,8.9) 9.65,8.9 13.21,8.9 v2(13.82,9.51) 14.2,9.89 U114#2.5 ; U120.5 56.2,9.89 v2(55.82,9.51) 55.21,8.9 51.65,8.9 v1(51.65,8.9) ; v1(23.65,8.9) 23.65,8.9 27.21,8.9 v2(27.82,9.51) 28.2,9.89 U116#2.5
  Bottom w0.2: 68.64,73.41 69.03,73.41 69.82,72.61 v2(69.82,71.51) ; 12.64,57.41 13.03,57.41 13.82,56.61 v2(13.82,55.51) ; 54.64,57.41 55.03,57.41 55.82,56.61 v2(55.82,55.51) ; C118#2.1 36.79,71.32 37.22,71.32 v1(37.65,70.9) ; 12.64,27.41 13.03,27.41 13.82,26.61 v2(13.82,25.51) ; C134#2.1 64.79,25.32 65.22,25.32 v1(65.65,24.9) ; 82.64,57.41 83.02,57.41 83.82,56.61 v2(83.82,55.51) ; 68.64,11.41 69.03,11.41 69.82,10.61 v2(69.82,9.51) ; 26.64,11.41 27.03,11.41 27.82,10.61 v2(27.82,9.51) ; v1(23.65,8.9) 23.22,9.32 22.79,9.32 C158#2.1 ; C102.1 8.79,25.32 9.22,25.32 v1(9.65,24.9) ; C126.1 50.79,25.32 51.22,25.32 v1(51.65,24.9) ; v2(41.82,9.51) 41.82,10.61 41.03,11.41 40.64,11.41 ; 54.64,27.41 55.03,27.41 55.82,26.61 v2(55.82,25.51) ; C166.1 36.79,9.32 37.22,9.32 v1(37.65,8.9) ; C182#2.1 64.79,55.32 65.22,55.32 v1(65.65,54.9) ; v2(83.82,71.51) 83.82,72.61 83.02,73.41 U111#2.9 ; v2(55.82,9.51) 55.82,10.61 55.03,11.41 54.64,11.41 ; C110.1 22.79,71.32 23.22,71.32 v1(23.65,70.9) ; v2(13.82,71.51) 13.82,72.61 13.03,73.41 12.64,73.41 ; v2(83.82,25.51) 83.82,26.61 83.02,27.41 82.64,27.41 ; v1(23.65,54.9) 23.22,55.32 22.79,55.32 C158.1 ; v2(13.82,9.51) 13.82,10.61 13.03,11.41 12.64,11.41 ; C190.1 78.79,9.32 79.22,9.32 v1(79.65,8.9) ; v1(9.65,54.9) 9.22,55.32 8.79,55.32 C150#2.1 ; v2(69.82,25.51) 69.82,26.61 69.03,27.41 68.64,27.41 ; C126#2.1 50.79,71.32 51.22,71.32 v1(51.65,70.9) ; v1(23.65,24.9) 23.22,25.32 22.79,25.32 C110#2.1 ; 82.64,11.41 83.02,11.41 83.82,10.61 v2(83.82,9.51) ; v2(27.82,55.51) 27.82,56.61 27.03,57.41 26.64,57.41 ; C102#2.1 8.79,71.32 9.22,71.32 v1(9.65,70.9) ; 68.64,57.41 69.03,57.41 69.82,56.61 v2(69.82,55.51) ; v1(65.65,8.9) 65.22,9.32 64.79,9.32 C182.1 ; C150.1 8.79,9.32 9.22,9.32 v1(9.65,8.9) ; v2(41.82,71.51) 41.82,72.61 41.03,73.41 40.64,73.41 ; 26.64,73.41 27.03,73.41 27.82,72.61 v2(27.82,71.51) ; C190#2.1 78.79,55.32 79.22,55.32 v1(79.65,54.9) ; 54.64,73.41 55.03,73.41 55.82,72.61 v2(55.82,71.51) ; C142.1 78.79,25.32 79.22,25.32 v1(79.65,24.9) ; v1(51.65,54.9) 51.22,55.32 50.79,55.32 C174#2.1 ; C118.1 36.79,25.32 37.22,25.32 v1(37.65,24.9) ; v2(27.82,25.51) 27.82,26.61 27.03,27.41 26.64,27.41 ; v1(37.65,54.9) 37.22,55.32 36.79,55.32 C166#2.1 ; v1(79.65,70.9) 79.22,71.32 78.79,71.32 C142#2.1 ; 40.64,27.41 41.03,27.41 41.82,26.61 v2(41.82,25.51) ; v1(65.65,70.9) 65.22,71.32 64.79,71.32 C134.1 ; v1(51.65,8.9) 51.22,9.32 50.79,9.32 C174.1 ; 40.64,57.41 41.03,57.41 41.82,56.61 v2(41.82,55.51)
